# Altium PCB novena_evt1_a.PcbDoc (part 8 of 12)
Units mm, origin at the board's own origin, x right, y up, seen from the top; angles counter-clockwise.
Board outline 121 x 150 mm, 10 copper layers (Top, L2-GND, L3, L4, L5-PWR, L6-PWR, L7, L8, L9-GND, Bot), stack 1.621 mm thick; 951 components, 714 nets, 4891 pads, 2105 vias.
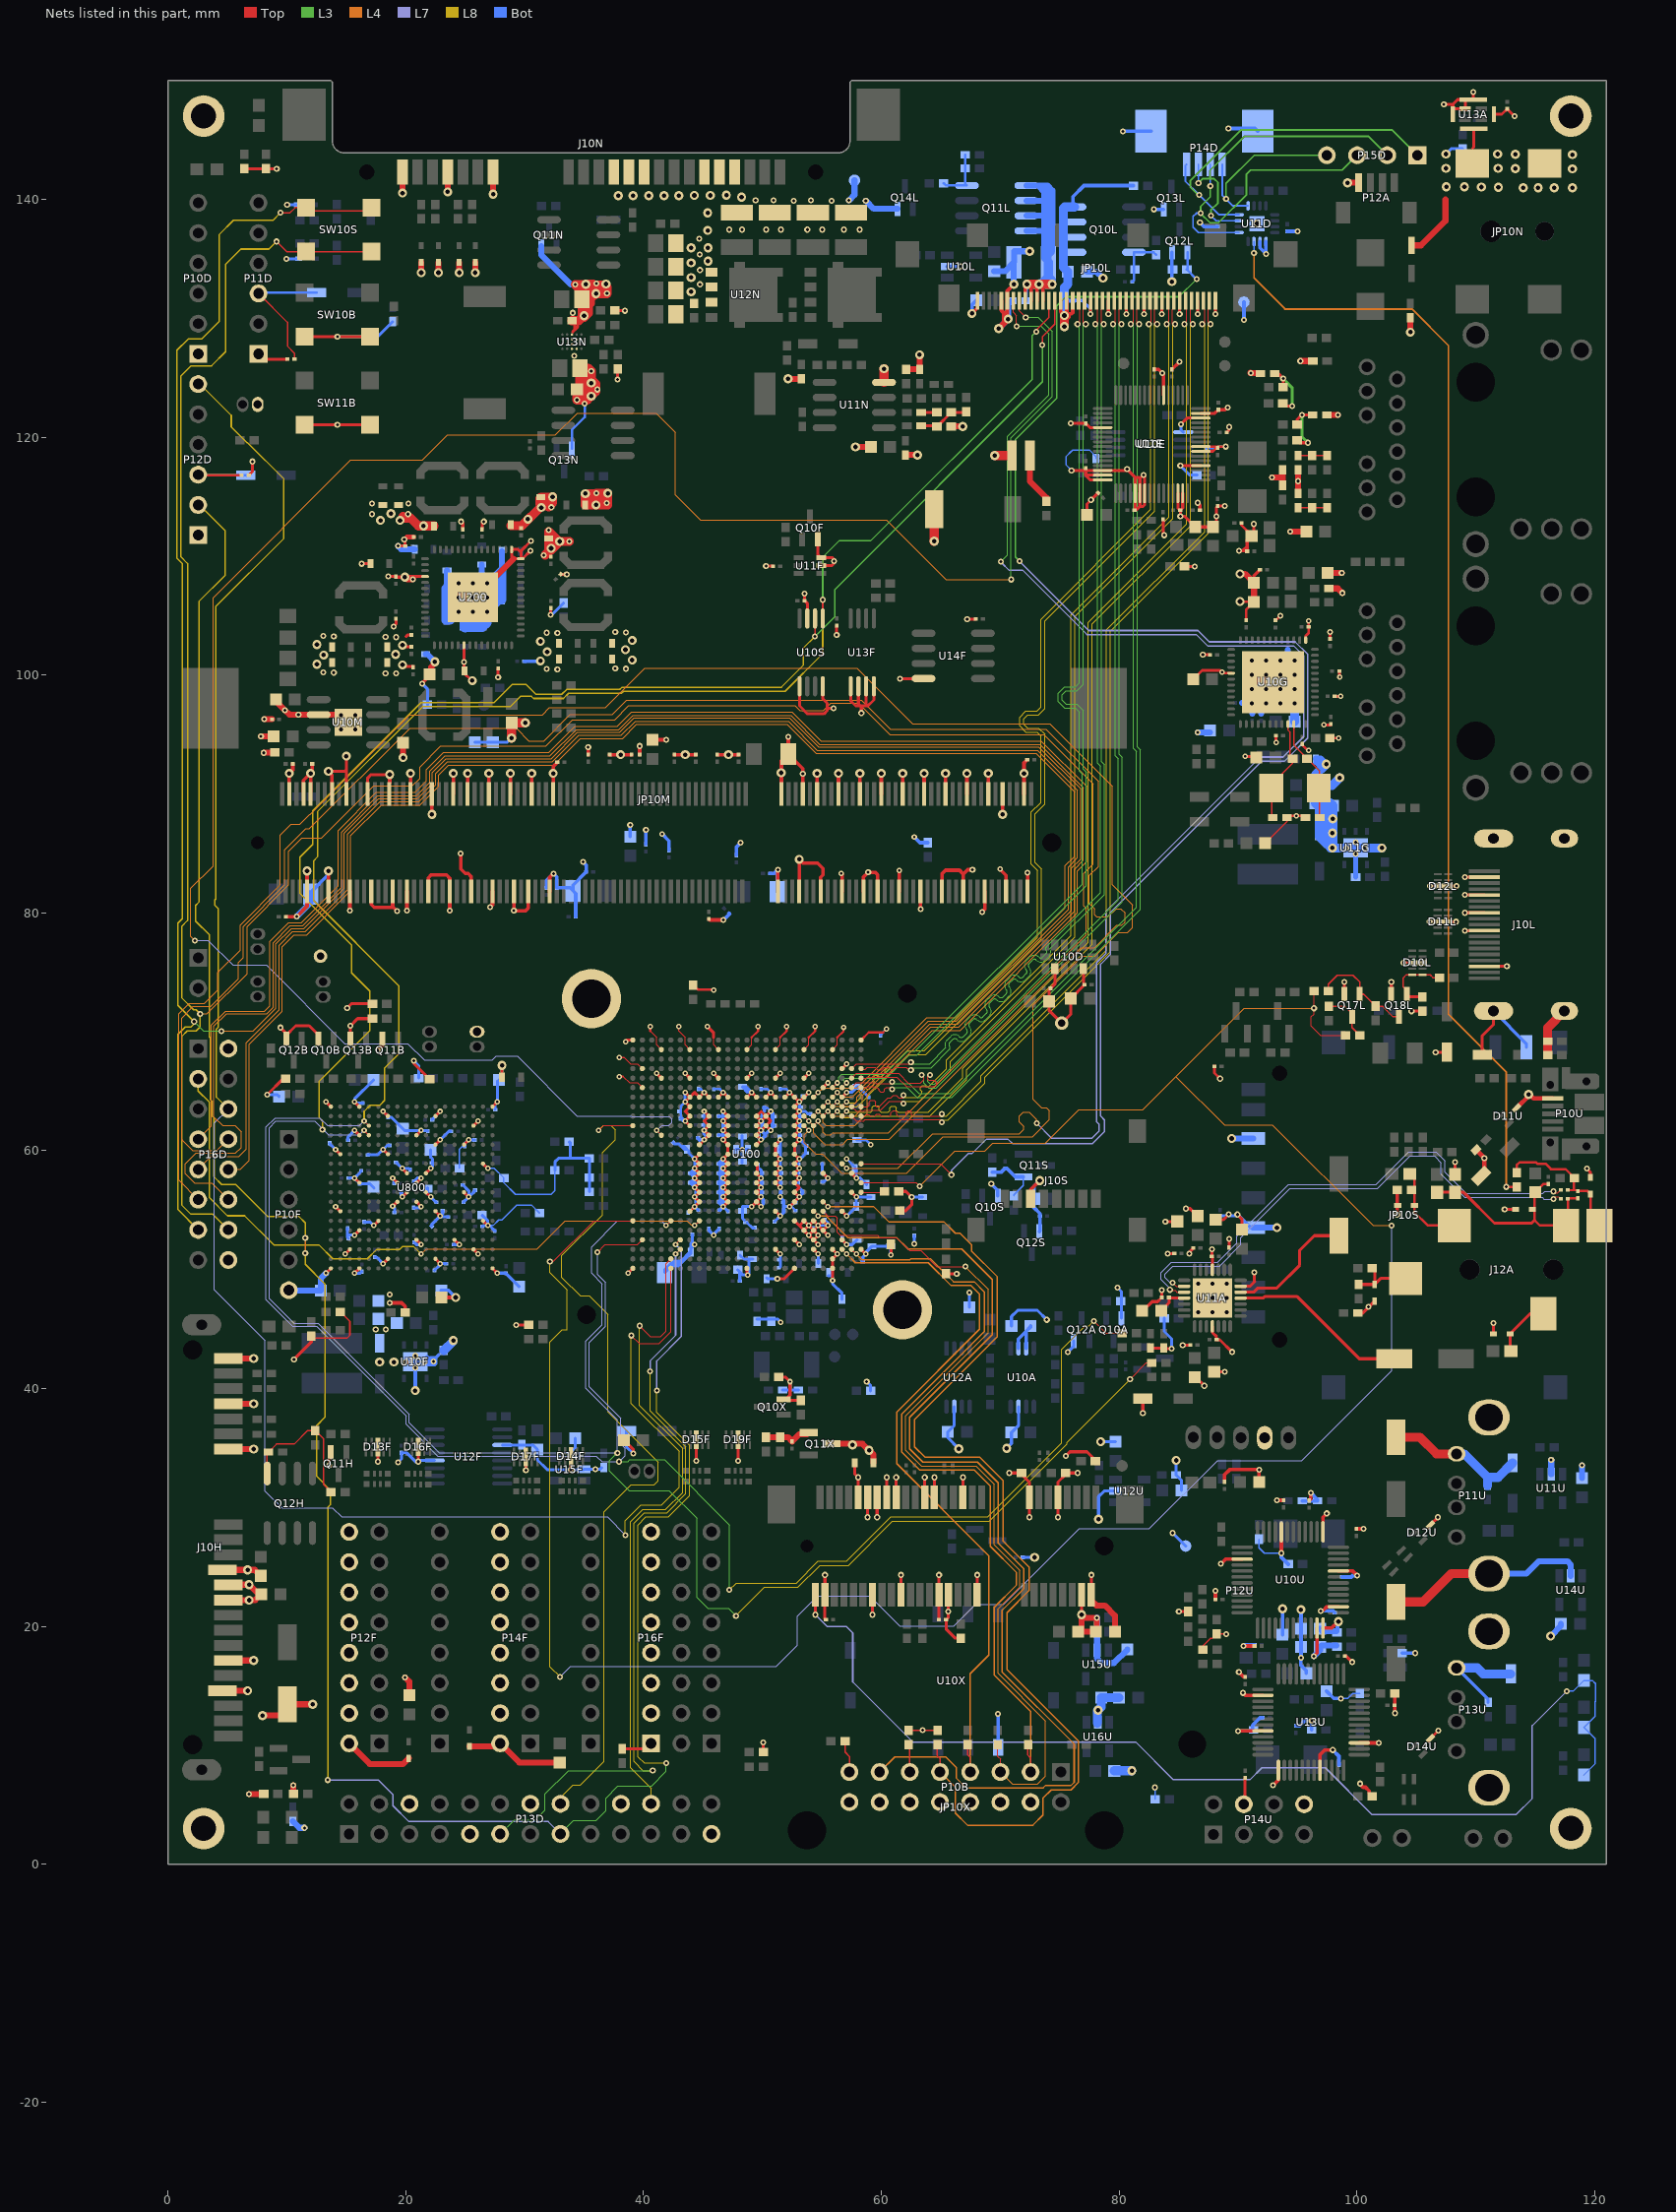
[diagram p16: the nets of this part, all layers, seen from the top]

## Via types
v1: diameter 0.508, hole 0.254, Top to Bot, tented both sides, 940 vias
v2: diameter 0.457, hole 0.203, Top to Bot, tented both sides, 793 vias
v3: diameter 0.762, hole 0.381, Top to Bot, tented both sides, 325 vias
v4: diameter 0.66, hole 0.33, Top to Bot, tented both sides, 23 vias
v5: diameter 0.66, hole 0.33, Top to Bot, tented top, 16 vias
v6: diameter 0.5, hole 0.254, Top to Bot, tented both sides, 8 vias

## Nets (pads, with @x,y where several pads share a name; then routed paths per layer and width w, separated by ;. In a path a pad name is that pad's centre, name@x,y a point inside that pad or via, vN(x,y) a via of type N, cw(c..) or ccw(c..) an arc to the next point about the centre after c; other vN are vias at no path point) (continued)
GND: (continued)
  Bot w0.305: C85C.2@44.547,61.072 44.719,60.9 v2(45.1,60.9) 45.233,61.033 45.233,61.3 45.1,61.433 v2(45.1,61.7) ; C57C.2@46.387,54.987 v2(46.7,55.3) ; v2(46.7,60.9) 46.7,61.25 v2(46.7,61.7) v2(46.7,62.5) 46.7,62.875 v2(46.7,63.3) ; v2(49.9,56.1) 49.913,56.113 49.913,56.887 v2(49.9,56.9) 49.913,56.913 49.913,57.687 v2(49.9,57.7) 49.913,57.713 C26C.2@49.913,58.1 ; C21M.2@50.15,63.625 50.175,63.6 50.175,63.325 50,63.15 C38C.2@50,62.875 50,62.6 v2(49.9,62.5) 50,62.4 C39C.2@50,62.1 50,61.8 v2(49.9,61.7) ; 50.262,61.262 v2(49.9,60.9) 49.691,61.109 49.691,61.491 v2(49.9,61.7) ; 50.262,61.338 v2(49.9,61.7) ; v2@50.642,63.242 v2(50.7,63.3) 50.858,63.142 50.858,62.342 50.833,62.367 C62C.2@50.833,62.1 ; v2@50.669,64.869 v2(50.7,64.9) ; v2(53.1,64.1) v2(53.1,63.3) v2(53.1,62.5) v2(53.1,61.7) v2(53.1,60.9) 53.217,60.9 53.615,60.503 C86C.2@53.615,60.407 ; U10L.2@65.55,134.35 v1(66.65,134.35) v1@66.675,134.325 ; v3(67.625,130.4) 67.625,131.125 C16L.2@68,131.5 ; v1(69.25,57.2) 69.8,56.65 Q10S.2@69.8,56.2 ; Q12S.2@73.3,53.2 73.35,53.25 C12S.2@73.35,54.5 73.35,54.7 72.825,55.225 72.825,55.925 C11S.2@72.85,55.95 72.85,57 v3(73.325,57.475) ; v1@80.325,145.7 80.35,145.725 P14D.MP1@82.685,145.725 ; v1(82.925,139.15) Q13L.2@83.75,139.15 ; v3(84.45,133.075) Q12L.2@84.45,135.55 ; v1(86.8,138.05) 87.15,137.7 C18D.2@88.3,137.7 ; v1(89.2,145.95) 91.44,145.95 P14D.MP2@91.665,145.725 ; v1(90,11.2) C53U.2@91.225,11.2 ; v1(90.45,18.35) 90.55,18.45 C41U.2@91.4,18.45 ; J14D.1@90.5,131.35 v1(90.5,129.85) v1@90.525,129.825 ; C53U.2@91.325,11.3 C53U.2@91.225,11.2 ; U11D.10@91.85,136.45 91.85,135.925 v1@92.35,135.425 ; C44U.2@92.075,12.325 91.875,12.325 91.225,11.675 C53U.2@91.225,11.2 ; U11D.9@92.35,136.45 v1@92.35,135.425 ; v1@92.375,135.4 v1(92.363,135.413) v1@92.35,135.425 ; v1(93.65,26.15) 93.65,25.8 R22U.1@94.225,25.225 ; C45U.2@93.75,19.3 v3(93.75,21.475) ; C19D.2@94.15,137.3 v1(95.025,137.3) ; C40U.2@94.875,11.65 95.2,11.65 95.6,12.05 v1(96.2,12.05) C54U.2@96.2,11.3 ; v3(95.3,21.4) C11U.2@95.3,19.8 C10U.2@95.3,18.25 v1(95.3,17.35) 95.275,17.325 95.275,16.75 95.75,16.275 C38U.2@95.75,16.05 ; C32U.2@95.4,30.55 C31U.2@96.7,30.55 96.7,30.65 v1(96.125,31.225) ; v1(96.975,21.3) 98,21.3 C15U.2@98.15,21.15 ; C37U.2@97.45,14.55 98.05,13.95 98.625,13.95 v1(98.65,13.925) ; v1(97.975,9.6) 98.5,9.075 C39U.2@98.5,8.35 ; C12U.2@98.75,24.15 99.525,24.15 99.65,24.275 v1(100.025,24.275) ; R29U.1@103.8,17.75 v1(104.9,17.75) ; 46.5,55.5 46.5,55.9 ; 46.5,55.5 v2(46.7,55.3) ; 46.5,55.5 46.353,55.647 46.353,55.753 46.5,55.9 ; 46.5,55.9 v2(46.7,56.1) ; 46.5,55.9 46.5,56.3 ; 46.5,56.3 46.5,56.7 ; 46.5,56.3 46.353,56.447 46.353,56.553 46.5,56.7 ; 46.5,56.3 v2(46.7,56.1) ; 46.5,56.7 46.5,57.1 ; 46.5,56.7 v2(46.7,56.9) ; 46.5,57.1 46.5,57.5 ; 46.5,57.1 46.353,57.247 46.353,57.353 46.5,57.5 ; 46.5,57.1 v2(46.7,56.9) ; 46.5,57.5 v2(46.7,57.7) ; 46.5,57.5 46.5,57.9 ; 46.5,57.9 46.353,58.047 46.353,58.153 46.5,58.3 ; 46.5,57.9 v2(46.7,57.7) ; 46.5,57.9 46.5,58.3 ; 46.5,58.3 46.5,58.7 ; 46.5,58.3 v2(46.7,58.5) ; 46.5,58.7 46.5,59.1 ; 46.5,58.7 46.353,58.847 46.353,58.953 46.5,59.1 ; 46.5,58.7 v2(46.7,58.5) ; 46.5,59.1 v2(46.7,59.3) v2(46.7,58.5) ; v2(46.7,55.3) v2(46.7,56.1) ; v2(46.7,56.1) v2(46.7,56.9) ; v2(46.7,56.9) v2(46.7,57.7) ; v2(46.7,57.7) v2(46.7,58.5)
  Bot w0.381: R16G.2@99.9,83 U11G.2@99.9,84.05 v6(99.9,84.95)
  Bot w0.508: P10F.6@10.16,48.26 10.195,48.225 C31F.2@12.85,48.225 12.85,49.25 v2(13.3,49.7) ; C13D.2@10.5,3.6 11.05,3.05 v1(11.475,3.05) ; v1(10.825,79.675) 12,80.85 C18M.2@12,81.575 ; v1(19.35,110.85) 19.625,110.575 C13P.2@20.75,110.575 ; C16P.2@21.675,101.75 21.8,101.75 v3(22.45,101.1) ; C30P.2@23.4,107.25 23.475,107.325 C12P.2@23.475,108.775 ; 26.375,107.725 26.4,107.75 C11P.2@26.4,109.275 ; C45P.2@28.075,108.75 C10P.2@28.075,110.4 ; Q11N.2@31.4,136.06 31.4,135.325 33.9,132.825 v1(34.25,132.825) ; v1(57.275,139.9) 57.75,140.375 J12D.1@57.75,141.6 ; v1(58.7,139.875) 59.375,139.2 Q14L.2@61.35,139.2 ; C15L.2@69.5,133.95 70.4,133.95 C18L.2@71.15,134.7 ; v3@69.85,129.125 v3(69.875,129.125) v3(70.675,129.925) 70.675,131.15 C17L.2@71,131.475 ; v3(71.15,132.85) C18L.2@71.15,134.7 ; v3(72.475,135.625) 71.2,135.625 71.175,135.6 71.175,134.725 C18L.2@71.15,134.7 ; C12L.2@77.3,133.9 78.125,133.9 v3(78.65,133.375) ; v1@78.125,20.725 78.15,20.7 U15U.2@78.15,18 78.15,17.275 78.5,16.925 79.575,16.925 C56U.2@80.7,18.05 ; v1(86.6,95.175) C17G.2@87.625,95.175 ; v3(89.475,61.025) JP10S.6@91.3,61.025 ; C39G.2@90.35,97.65 91.1,97.65 v5(91.15,97.6) 91.2,97.55 C33G.2@91.2,96.75 ; JP10S.3@91.3,53.525 v3(93.275,53.525) ; C18G.2@91.95,96.75 91.95,97.2 v5(92.35,97.6) ; C40G.2@94.2,102.1 94.2,101.75 v5(94.75,101.2) ; v5(94.75,98.8) v5@94.775,98.775 ; C13G.2@96.55,92.95 96.975,92.95 v3(97.425,92.5) 97.4,92.475 96.8,92.475 96.625,92.65 C13G.2@96.575,92.65 ; P13U.0@111.11,19.57 P13U.0@111.765,20.225 ; P11U.0@111.11,24.43 114.255,24.43 115.3,25.475 117.7,25.475 118,25.175 U14U.2@118,24.25 ; v3(116.3,19.175) 117.175,20.05 C48U.2@117.175,20.225 ; U11U.2@116.35,32.8 v1(116.35,34) ; C22U.2@118.95,32.45 v1(118.95,33.55)
  Bot w0.762: R18F.2@23.2,43.2 v3@24,44 ; C30P.2@23.375,107.225 23.375,106.425 ; C30P.2@23.4,107.25 23.975,107.25 v4(24.45,107.725) v4(25.65,107.725) ; 23.95,105.3 23.85,105.4 23.85,105.925 ; 24.875,105.925 24.9,105.95 26.225,105.95 v4(26.85,105.325) ; C51P.2@24.9,103.975 24.9,104.875 v4(24.45,105.325) ; C51P.2@25,103.95 25.025,103.975 25.725,103.975 ; 26.1,107.15 26.225,107.15 v4(26.85,106.525) ; U16U.2@78.175,11.875 78.175,12.9 78.5,13.225 C51U.2@78.5,14 C55U.2@80,14 ; C52U.2@79.6,7.85 v3(81.075,7.85) ; v5(93.55,97.6) v5(94.75,97.6) ; C14G.2@94.775,96.075 v5@94.775,98.775 ; v3@97.4,92.475 96.5,91.575 C28G.1@96.5,90.725 ; v3@97.7,88.025 97.337,87.662 97.337,85.913 ; v3(98.55,91.35) 97.925,90.725 97.125,90.725 ; v6(99.1,85.45) v3(97.95,85.45) ; U11G.7@99.9,85.45 v6(100.7,85.45) v3(102.1,85.45) ; P13U.4@108.4,16.5 110.125,16.5 110.625,16 D17U.2@112.95,16 ; P11U.4@108.4,34.5 109.025,34.5 111,32.525 ; C23U.2@111,31.85 111,32.525 ; D16U.2@113.1,33.75 111.875,32.525 111,32.525 ; C29P.2@23.375,105.925 23.375,106.425 ; C29P.2@23.375,105.925 23.375,104.625 C15P.2@23.4,104.6 23.725,104.6 v4(24.45,105.325) ; C29P.2@23.375,105.925 23.85,105.925 ; 23.375,106.425 23.975,107.025 25.45,107.025 25.65,107.225 ; 23.85,105.925 v4(24.45,106.525) ; v4(24.45,105.325) v4(24.45,106.525) ; v4(24.45,105.325) v4(25.65,105.325) ; v4(24.45,106.525) v4(25.65,106.525) ; v4(25.65,105.325) 25.725,105.25 25.725,104.475 ; v4(25.65,105.325) 25.65,104.8 25.325,104.475 25.725,104.475 ; v4(25.65,105.325) 26.125,105.325 ; v4(25.65,106.525) 25.65,107.225 ; v4(25.65,106.525) v4(26.85,106.525) ; 25.65,107.225 v4(25.65,107.725) ; v4(25.65,107.725) 26.375,107.725 v4(26.85,107.725) ; 25.725,103.975 25.725,104.475 ; 25.725,103.975 C46P.2@26.425,103.975 26.85,104.4 26.85,104.9 ; 25.725,104.475 26.425,104.475 26.85,104.9 ; 26.125,105.325 v4(26.85,105.325) ; 26.125,105.325 26.55,104.9 26.85,104.9 ; 26.85,104.9 v4(26.85,105.325) ; v4(26.85,105.325) C25P.2@27.85,106.325 ; v4(26.85,105.325) v4(26.85,106.525) ; v4(26.85,106.525) v4(26.85,107.725) ; v4(26.85,106.525) 27.175,106.85 28.075,106.85 ; v4(26.85,106.525) 27.05,106.325 C25P.2@27.85,106.325 ; v4(26.85,107.725) 27.175,108.05 27.375,108.05 ; v4(26.85,107.725) 27.05,107.525 C26P.2@28.075,107.525 ; 27.375,108.05 C45P.2@28.075,108.75 28.075,108.05 ; 27.375,108.05 28.075,108.05 ; C25P.2@27.85,106.325 C25P.2@28.075,106.325 28.075,106.85 ; 28.075,106.85 C26P.2@28.075,107.525 ; C26P.2@28.075,107.525 28.075,108.05 ; C27G.1@96.5,89.225 C27G.1@96.85,88.875 ; C27G.1@96.5,89.225 C28G.1@96.5,90.725 ; C27G.1@96.5,89.225 97.125,89.225 ; C28G.1@96.5,90.725 97.125,90.725 ; C27G.1@96.85,88.875 D10G.1@96.85,86.9 96.85,86.4 97.175,86.075 ; C27G.1@96.85,88.875 97.125,88.6 ; 97.125,88.6 97.125,89.225 ; 97.125,88.6 97.15,88.575 97.15,88.4 ; 97.125,89.225 97.125,90.725 ; 97.125,89.225 97.775,89.225 C29G.2@98,89 ; 97.15,88.4 97.4,88.4 C29G.2@98,89 ; 97.15,88.4 97.175,88.375 97.175,86.075 ; 97.175,86.075 97.337,85.913 ; 97.337,85.913 97.487,85.913 v3(97.95,85.45) ; 97.337,85.913 97.8,85.45 v3(97.95,85.45) ; v3(97.95,85.45) 98,85.5 C29G.2@98,89
  other v1: 63.475,11.275 30.1,33.125 35.95,33.2 17.475,44.975 18.325,44.975 100.975,46.875 18.65,47.9 85.925,51.325 87.825,51.7 23.7,80.2 53.4,91.7 10.975,96.66 19.2,100.125 18.3,100.15 13.95,100.2 13.05,100.225 32.75,100.475 31.85,100.5 38.525,100.525 37.625,100.55 24.9,101.075 19.2,103.175 18.3,103.2 13.95,103.25 13.05,103.275 32.75,103.525 31.85,103.55 38.525,103.575 37.625,103.6 56.025,109.575 31.6,110.075 32.025,112.175 17.15,113.525 20.2,113.525 32.25,114.1 17.175,114.425 20.225,114.425 36.9,114.45 77.65,114.724 95.05,116.3 14.25,121.05 36.125,124 83.625,125.375 34.175,126.825 34.05,130.45 44.75,132.85 36.025,132.925 44.75,134.05 44.725,135.35 44.7,136.675 47.2,137.45 48.3,137.45 50.325,137.45 51.55,137.45 53.775,137.45 55.025,137.45 56.85,137.45 58.175,137.45 52.625,139.875 55.825,139.875 49.425,139.9 50.925,139.9 54.075,139.9 80.337,145.712
  other v2: 56.828,70.375 54.45,70.432 45.9,73.5 88.65,100.25
  other v3: 78.225,12.95 6.825,22.2 6.7,24.745 17.8,42.225 19,42.225 114.45,64.725 97.95,86.7 97.975,87.9 51.575,91.775 38.075,93.3 43.5,93.3 47.15,93.3 25.6,99.525 12.525,100.9 39.05,101.25 13.1,101.675 19.15,101.725 31.9,101.95 38.475,102.125 12.525,102.55 31.325,102.825 39.05,102.9 90.175,106.175 21.5,112.525 17.875,113 19.525,113 30.275,113.1 18.75,113.575 31.4,114.075 35.1,115.25 35,130.2 44,132.225 36.85,132.875 44,133.425 44,134.65 45.425,134.8 44,135.925 45.425,135.925 45.4,137.375 45.4,138.85 48.25,140.175 37.875,140.3 39.125,140.3 40.45,140.3 41.725,140.3 42.975,140.3 44.275,140.325 45.625,140.325 46.975,140.35 114,140.975 115.25,140.975 116.6,140.975 118.125,140.975 111.9,141 110.475,141.025 107.525,141.05 109.05,141.05 118.125,142.55 113.325,142.575 107.5,142.6 111.875,142.6 118.125,143.75 113.325,143.775 111.85,143.8
  other v4: 86.65,46.4 87.85,46.4 89.05,46.4 86.65,47.6 87.85,47.6 89.05,47.6 86.65,48.8 87.85,48.8 89.05,48.8 14.575,95.425 15.775,95.425 15.775,96.625 91.6,137.95
  other v5: 91.15,98.8 92.35,98.8 93.55,98.8 91.15,100 92.35,100 93.55,100 94.75,100 91.15,101.2 92.35,101.2 93.55,101.2
  other v6: 20,42.25 20.8,42.75 99.9,85.95
GPIO_PWM1: JP10L.34 U100.R22 | length 187.9
  Top w0.102: v2(41.1,61.7) U100.R22@41.5,61.3 ; JP10L.34@71.6,131.475 71.6,130.625 v1(72.15,130.075)
  L3 w0.102: v1(70.925,108.025) 70.925,119.95 74.4,123.425 74.4,128.875 73.2,130.075 v1(72.15,130.075)
  L4 w0.102: v1(2.25,77.675) 1.925,78 1.925,82.05 3.8,83.925 3.8,106.5 15.375,118.075 21.425,118.075 23.525,120.175 32.6,120.175 34.425,122 41.075,122 42.675,120.4 42.675,115.125 44.775,113.025 60.425,113.025 65.425,108.025 v1(70.925,108.025)
  L7 w0.102: v1(2.25,77.675) 3.375,77.675 5.45,75.6 8.275,75.6 14.875,69 20.175,69 21.55,67.625 27.3,67.625 27.625,67.95 29.375,67.95 34.4,62.925 39,62.925 39.044,62.881 42.169,62.881 42.375,62.675 42.375,62.35 42.144,62.119 41.545,62.119 41.126,61.7 v2(41.1,61.7)
GPIO_PWM2: P13D.16 U100.T25 | length 72
  Top w0.102: v2(36.225,61.7) 36.625,62.1 U100.T25@39.1,62.1
  L8 w0.102: P13D.16@33.02,5.08 33.02,5.62 34.05,6.65 34.675,6.65 36.675,8.65 36.675,29.628 38.95,31.903 40.9,31.903 41.25,32.253 41.25,33.797 37,38.047 37,46.244 35.444,47.8 34.672,47.8 33.125,49.347 33.125,51.175 36.55,54.6 36.55,59.85 37.625,60.925 37.625,61.75 37.275,62.1 36.625,62.1 v2(36.225,61.7)
GPT_CAPIN1: P12D.6 P16D.6 U100.A21 | length 163.6
  Top w0.102: v1(38.975,44.45) 39.65,43.775 41.3,43.775 42.3,44.775 U100.A21@42.3,50.1
  L7 w0.102: P16D.6@5.08,63.5 3.9,62.32 3.9,48.3 8.175,44.025 8.175,31.375 9.6,29.95 13.85,29.95 14.6,29.2 36.95,29.2 v1(38.475,27.675)
  L8 w0.102: v1(38.475,27.675) 38.475,28.9 39.775,30.2 41.5,30.2 43,31.7 43,34.7 38.975,38.725 v1(38.975,44.45)
  L8 w0.127: P12D.6@2.85,124.3 5.325,121.825 5.325,120.85 6.65,119.525 6.7,119.525 9.75,116.475 9.75,111.484 4.025,105.759 4.025,81.168 3.931,81.074 3.931,80.644 4.225,80.35 4.225,70.368 4.081,70.224 4.081,64.499 P16D.6@5.08,63.5
GPT_CAPIN2: P13D.11 U100.C20 | length 66
  Top w0.102: v2(42.7,51.3) U100.C20@43.1,51.7
  L3 w0.102: P13D.11@27.94,2.54 29.125,3.725 30.9,3.725 31.725,4.55 31.725,5.9 33.7,7.875 v1(40.775,7.875)
  L7 w0.127: v1(40.55,41.45) 40.55,42.324 42.7,44.474 v2(42.7,51.3)
  L8 w0.102: v1(40.55,41.45) 40.55,38.1 43.564,35.086 43.564,31.139 41.967,29.542 40.067,29.542 39.189,28.664 39.189,8.636 39.95,7.875 v1(40.775,7.875)
GPT_CLKIN: P12D.2 P13D.15 U100.D20 | length 202.3
  Top w0.102: v2(42.7,52.1) U100.D20@43.1,52.5
  L3 w0.102: P13D.15@33.02,2.54 33.02,2.595 34.1,3.675 36,3.675 36.825,4.5 36.825,5.55 37.85,6.575 40.675,6.575 41.9,7.8 v1(41.9,8.5)
  L4 w0.127: v1(11.55,51.375) v1(11.55,52.65)
  L7 w0.127: v1(13.45,7.075) 17.7,7.075 18.925,5.85 18.925,4.925 20.275,3.575 31.985,3.575 P13D.15@33.02,2.54 ; v1(41.125,39.825) 41.125,42.325 43.175,44.375 43.175,51.625 v2(42.7,52.1)
  L8 w0.102: v1(41.125,39.825) 41.125,38 43.9,35.225 43.9,31 42.106,29.206 40.206,29.206 39.525,28.525 39.525,9.033 40.058,8.5 v1(41.9,8.5)
  L8 w0.127: P12D.2@2.85,114.1 4.825,112.125 4.825,108.398 2.6,106.173 2.6,80.9 2.329,80.629 2.329,79.296 3.474,78.151 3.474,69.576 3.575,69.475 3.575,64.302 3.713,64.163 3.713,62.913 3.875,62.752 3.875,57.8 4.525,57.15 5.7,57.15 8.375,54.475 11,54.475 11.55,53.925 v1(11.55,52.65) ; v1(11.55,51.375) 11.55,50.45 13.2,48.8 13.2,37.575 12.5,36.875 12.5,32.625 13.65,31.475 13.65,30.225 13.45,30.025 v1(13.45,7.075) v1@13.45,6.975
GPT_CMPOUT1: P13D.22 U100.B21 | length 54.4
  Top w0.102: v1@39.625,45.325 40.575,44.375 41.45,44.375 41.9,44.825 41.9,50.5 U100.B21@42.3,50.9
  L8 w0.102: v1(39.675,45.275) 39.675,38.575 43.281,34.969 43.281,31.256 41.85,29.825 39.95,29.825 38.906,28.781 38.906,8.119 40.64,6.385 P13D.22@40.64,5.08
GPT_CMPOUT3: P16D.3 U100.F18 | length 55.9
  Top w0.102: v2(44.3,53.7) U100.F18@44.7,54.1
  L4 w0.102: v2(21.3,51.3) 21.719,51.719 31.044,51.719 33.425,54.1 43.675,54.1 44,53.775 44.225,53.775 v2(44.3,53.7)
  L8 w0.127: P16D.3@2.54,66.04 2.54,65.013 3.475,64.078 3.475,56.05 5,54.525 6.45,54.525 8.9,52.075 12.7,52.075 13.875,50.9 16.775,50.9 17.575,51.7 19.5,51.7 19.75,51.95 20.65,51.95 v2(21.3,51.3)
HDMI_HPD: D10L.5 D10L.6 Q18L.1 R25L.1 R32L.2 | length 6.2
  Top w0.127: Q18L.1@104.2,73.15 104.2,73.475 103.9,73.775 103.9,74.525 104.175,74.8 D10L.5@104.663,74.8 104.688,74.775 106.175,74.775 106.4,74.55 R32L.2@106.95,74.55
  Top w0.254: Q18L.1@104.2,73.15 104.425,72.925 R25L.1@105.5,72.925
HDMI_HPD_CPU: R27L.1 R28L.1 U100.F25 U100.K1 | length 215.4
  Top w0.102: v1(32.125,50.675) 32.434,50.675 35.859,54.1 U100.F25@39.1,54.1 ; U100.K1@58.3,57.3 62.925,57.3 v1(63.225,57) ; R28L.1@96.4,73.4 v1(96.4,71.975) 96.4,71.475 96.175,71.25 96.175,70.475 96.95,69.7 R27L.1@99.05,69.7
  L4 w0.102: v1(63.225,57) 66.2,59.975 68.7,59.975 69.363,60.638 73.813,60.638 76.625,63.45 82,63.45 84.775,66.225 ; v1(96.4,71.975) 90.525,71.975 84.775,66.225 ; v1(102.925,53.7) 101.35,53.7 92.9,62.15 88.85,62.15 84.775,66.225
  L7 w0.102: v1(32.975,15.75) 33.85,16.625 51.15,16.625 52.925,18.4 52.925,20.85 54.625,22.55 59.025,22.55 61.55,20.025 66.1,20.025 67.925,21.85 70.3,21.85 76.65,28.2 82.55,28.2 88.275,33.925 95.35,33.925 102.925,41.5 v1(102.925,53.7)
  L8 w0.102: v1(32.125,50.675) 32.125,49.725 33.575,48.275 33.575,44.925 33.175,44.925 32.144,43.893 32.144,16.581 v1(32.975,15.75)
HDMI_HPD_LV: Q17L.3 R27L.2 R29L.2 | length 4.3
  Top w0.127: R29L.2@97.65,72.125 99,72.125 99.6,71.525 Q17L.3@99.6,71.25 99.6,70.35 R27L.2@100.25,69.7
HDMI_HPD_LV_N: Q17L.1 Q18L.3 R28L.2 R30L.2 | length 8.9
  Top w0.127: R28L.2@97.6,73.4 97.6,74 98.35,74.75 99.675,74.75 100.25,74.175 Q17L.1@100.25,73.15 100.575,73.15 R30L.2@101.575,72.15 102.15,72.15 103.05,71.25 Q18L.3@103.55,71.25
HDMI_REF: R24L.2 U100.J1 | length 2
  Top w0.102: U100.J1@58.3,56.5 60.2,56.5 R24L.2@60.275,56.575
HP_IN: D12A.1 J12A.2 R15A.1 R16A.1 | length 5.6
  Top w0.254: R16A.1@100.15,48.75 D12A.1@101.5,48.75 ; R15A.1@101.3,50.1 101.5,49.9 D12A.1@101.5,48.75 ; J12A.2@104.1,49.25 102,49.25 D12A.1@101.5,48.75
HP_L_PRE: C31A.1 U11A.12 | length 11
  Top w0.254: U11A.12@90.225,48.1 91.325,48.1 91.675,48.45 93.282,48.45 95.2,50.368 95.2,51.625 96.425,52.85 C31A.1@98.5,52.85
HP_R_PRE: C30A.1 U11A.11 | length 15.2
  Top w0.254: U11A.11@90.225,47.6 92.125,47.6 92.275,47.75 94.95,47.75 100.2,42.5 C30A.1@103.15,42.5
HP_VGND_EMI: C35A.1 C36A.2 C37A.2 C39A.2 D10A.1 J12A.5 L12A.2 L13A.2 | length 19.2
  Top w0.203: C35A.1@116.1,57.2 115.7,57.2 C36A.2@115,56.5 114.95,56.45 114.95,54.15 115.4,53.7 J12A.5@117.6,53.7 117.75,53.85 C39A.2@117.75,55.95 117.8,56 C37A.2@118.6,56
  Top w0.254: L12A.2@106.75,56.5 L13A.2@108.25,56.5 108.975,56.5 111.575,53.9 114.7,53.9 114.95,54.15
HPL_EMI: D13A.1 J12A.1 L11A.2 R18A.1 | length 7.2
  Top w0.203: L11A.2@104.45,58.05 104.85,57.65 D13A.1@104.85,55.4 104.85,54.825 105.975,53.7 J12A.1@108.2,53.7
HPR_EMI: D11A.1 J12A.3 L10A.2 | length 5
  Top w0.254: L10A.2@112.95,43.15 112.9,43.2 D11A.1@112.9,44.6 114.6,46.3 J12A.3@115.7,46.3
I2C3_SCL: JP10L.28 R26A.2 U10S.6 U100.F21 U800.P4 | length 270.8
  Top w0.102: v2(16.5,61.7) U800.P4@16.9,61.3 ; v2(41.9,53.7) U100.F21@42.3,54.1 ; v1(80.925,40.775) 82.3,42.15 R26A.2@82.75,42.15
  Top w0.127: v1(54.425,103.25) U10S.6@54.425,104.75 ; v1(73.55,127.75) 73.55,128.45 74.6,129.5 JP10L.28@74.6,131.475
  L3 w0.102: v1(37.8,34.575) 37.15,33.925 37.15,33.05 38.775,31.425 42.15,31.425 44.5,29.075 44.5,22.425 45.425,21.5 47.15,21.5 v1(47.775,20.875)
  L3 w0.127: v1(54.425,103.25) 56.1,104.925 56.1,107.2 73.55,124.65 v1(73.55,127.75)
  L7 w0.102: v2(16.5,61.7) 16.474,61.7 16.093,61.319 13.481,61.319 12.325,62.475 9.089,62.475 8.525,61.911 8.525,47.562 10.587,45.5 12.612,45.5 20.3,37.812 20.3,37.114 22.814,34.6 36.3,34.6 36.325,34.575 v1(37.8,34.575) 37.8,37.386 35.15,40.036 35.15,43.989 36.525,45.364 36.525,48.785 35.625,49.685 35.625,51.9 37.806,54.081 41.519,54.081 v2(41.9,53.7)
  L8 w0.102: v1(47.775,20.875) 50.175,23.275 53,23.275 54.85,25.125 57.25,25.125 60.95,28.825 69.1,28.825 75.625,35.35 75.625,35.475 v1(80.925,40.775)
  L8 w0.127: v1@13,61.8 13,62.5 12.7,62.8 12.7,65.806 16.975,70.081 16.975,73.424 15.45,74.949 15.45,77.294 11.1,81.644 11.1,84.675 12.175,85.75 12.175,88.56 21.29,97.675 27.428,97.675 28.953,99.2 30.125,99.2 30.95,98.375 33.125,98.375 33.55,98.8 38.011,98.8 38.186,98.975 51.6,98.975 53.455,100.83 53.455,102.28 v1(54.425,103.25)
  other v1: 13,61.775
I2C3_SDA: JP10L.29 R27A.2 U10S.5 U100.D24 U800.P3 | length 268
  Top w0.102: v2(16.5,62.5) U800.P3@16.9,62.1 ; v1(36.125,51.45) 36.775,52.1 39.5,52.1 U100.D24@39.9,52.5 ; v1(77.875,45.675) 78.9,44.65 R27A.2@80.25,44.65
  Top w0.127: U10S.5@55.075,104.75 v1(55.075,106.325) ; v1(73.025,128.875) 73.025,128.975 74.1,130.05 JP10L.29@74.1,131.475
  L3 w0.102: v1(37.95,33.85) 38.7,33.85 38.85,34 41.75,34 47.225,28.525 v1(47.225,23.075)
  L3 w0.127: v1(55.075,106.325) 55.075,109.9 56.475,111.3 59.125,111.3 72.7,124.875 72.7,128.55 v1(73.025,128.875)
  L7 w0.102: v2(16.5,62.5) 16.1,62.1 13.425,62.1 12.775,62.75 9.025,62.75 8.25,61.975 8.25,47.449 10.474,45.225 12.498,45.225 20.025,37.698 20.025,37 22.7,34.325 36.025,34.325 36.5,33.85 v1(37.95,33.85) 38.45,34.35 38.45,34.975 38.075,35.35 38.075,37.5 35.425,40.15 35.425,43.875 36.8,45.25 36.8,48.899 36.125,49.574 v1(36.125,51.45)
  L8 w0.102: v1(47.225,23.075) 47.796,23.646 52.846,23.646 54.696,25.496 57.096,25.496 60.796,29.196 68.946,29.196 75.175,35.425 75.175,43.3 77.15,45.275 77.475,45.275 v1(77.875,45.675)
  L8 w0.127: v2(16.5,62.5) 16.5,63.3 17.025,63.825 17.825,63.825 18.225,64.225 18.225,66.95 19.4,68.125 19.4,73.875 12.25,81.025 12.25,84.375 12.575,84.7 12.575,88.5 21.425,97.35 28.8,97.35 29.65,98.2 30.575,98.2 30.75,98.025 33.27,98.025 33.695,98.45 38.156,98.45 38.331,98.625 51.9,98.625 55.075,101.8 v1(55.075,106.325)
JTAG_JRST: P10B.3 R16B.1 U100.C2 | length 67.1
  Top w0.102: U100.C2@57.5,51.7 v2(57.9,51.3)
  Top w0.127: R16B.1@72.35,10.05 72.3,10 72.3,9.2 72.56,8.94 P10B.3@72.56,7.75
  L4 w0.127: v2(57.9,51.3) 58.369,50.831 62.406,50.831 62.475,50.9 64.15,50.9 66.075,48.975 67.825,48.975 68.682,48.118 68.682,44.807 61.72,37.845 61.72,34.654 63.229,33.145 67.829,33.145 69.17,31.804 69.17,26.729 71.345,24.554 71.345,23.446 69.495,21.596 69.495,15.905 72.56,12.84 P10B.3@72.56,7.75